# Altium PCB Bass Debug Board.PcbDoc
Units mm, origin at the board's own origin, x right, y up, seen from the top; angles counter-clockwise.
Board outline 76.24 x 154.92 mm, 2 copper layers (Top Layer, Bottom Layer), stack 1.569 mm thick; 42 components, 23 nets, 84 pads, 128 vias.
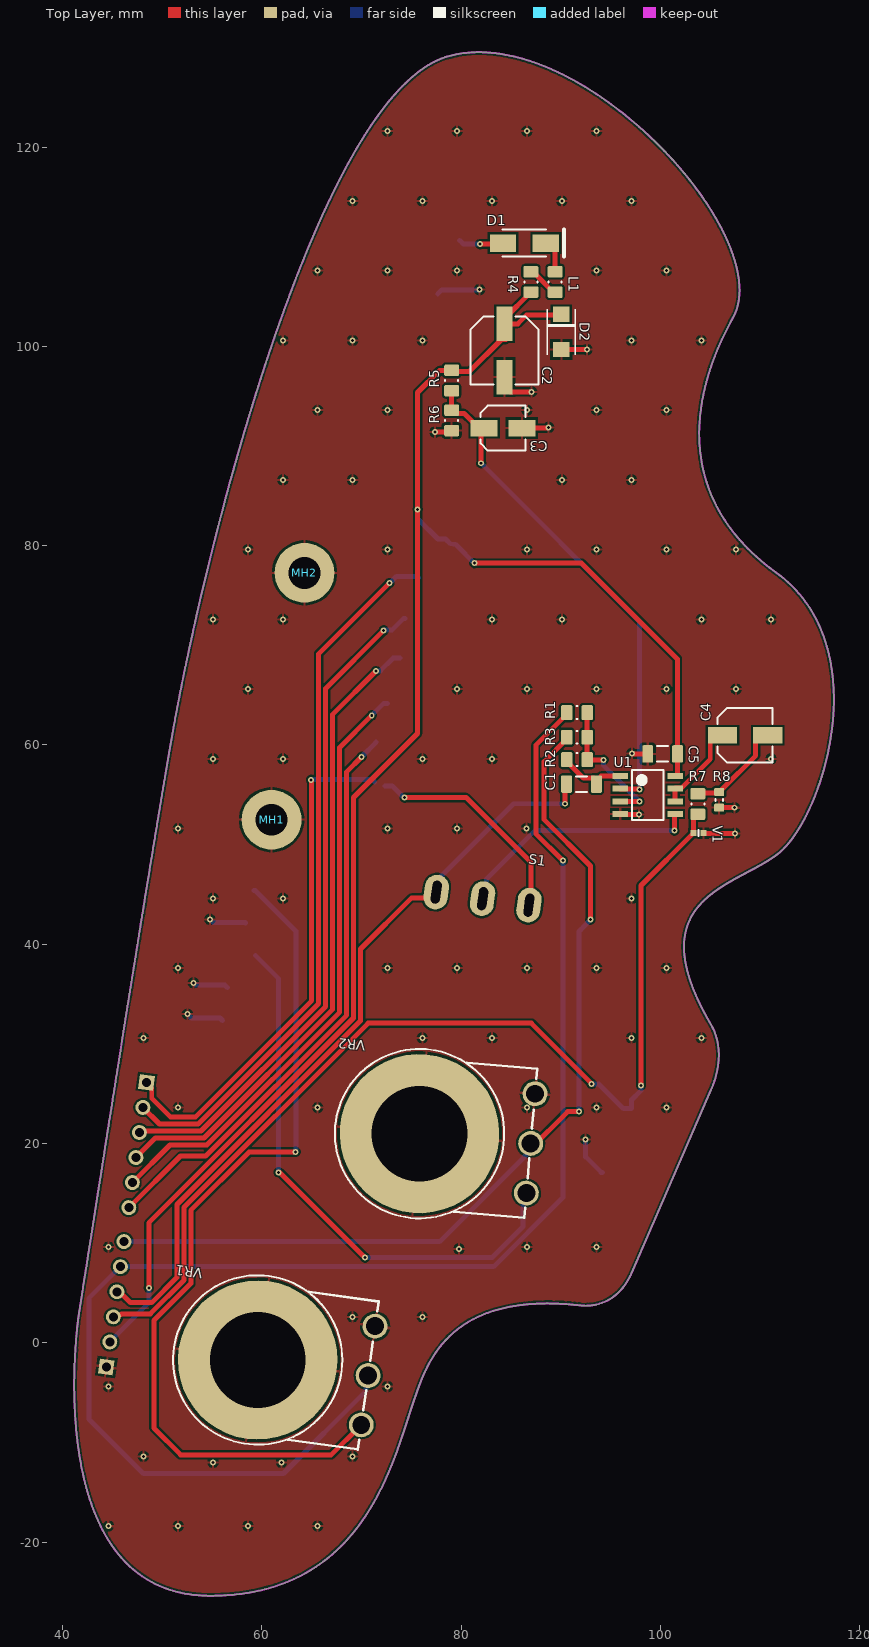
[diagram p0: Top Layer view]
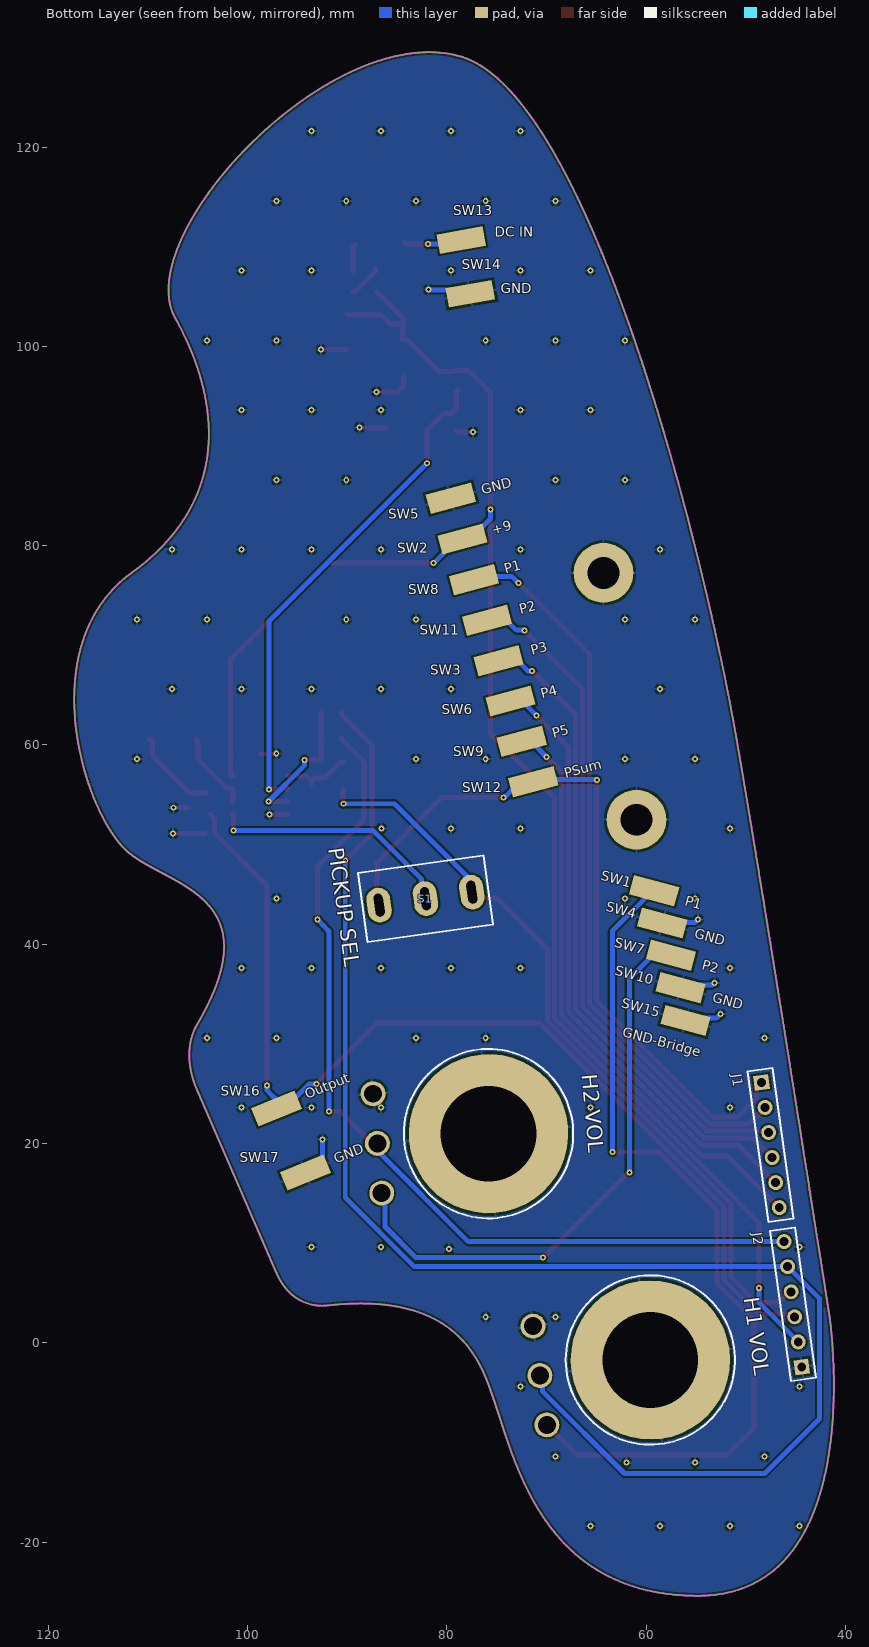
[diagram p1: Bottom Layer view, seen from below]
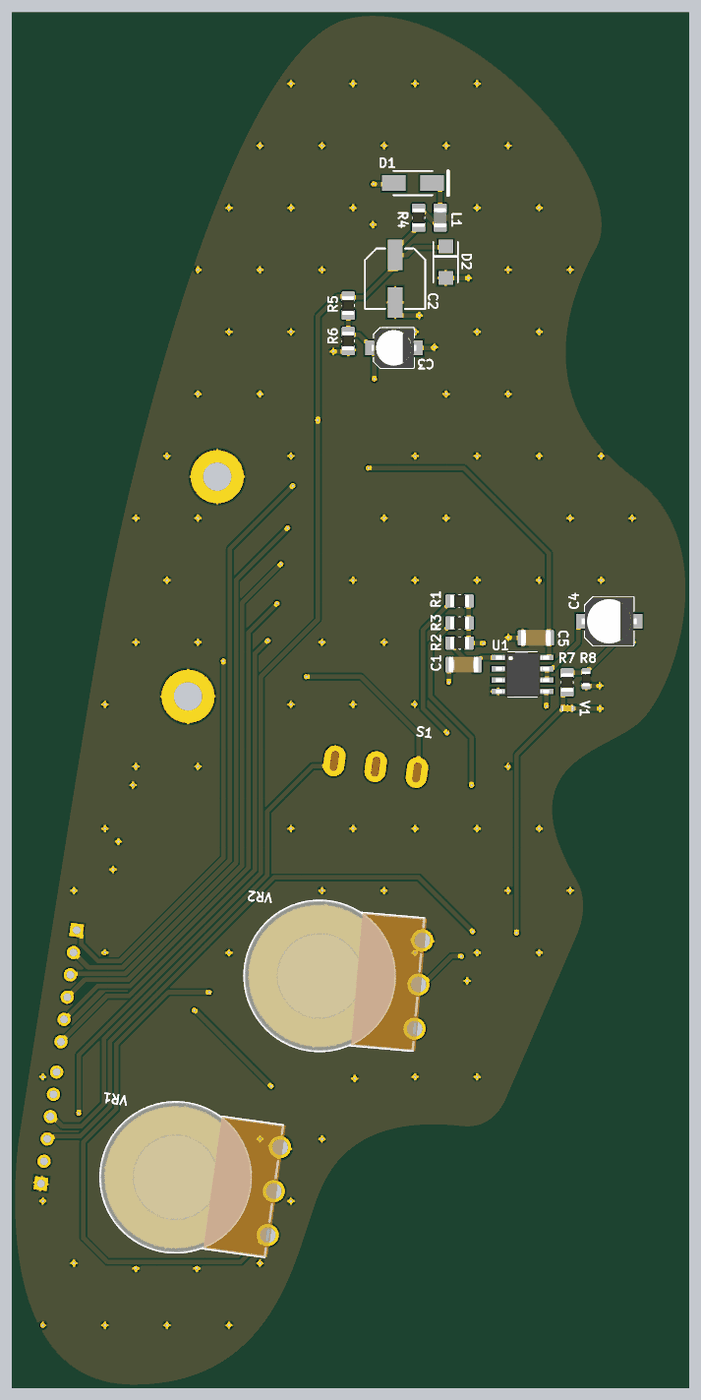
[diagram p2: 3D render of the assembled board from above, using the file's embedded part models]

## Layer stack, top to bottom
Top Solder: solder mask 0.0254, SM-002, Dk 4
Top Layer: signal copper 0.035
Dielectric 1: core 1.4986, Core-043, Dk 4.3
Bottom Layer: signal copper 0.035
Bottom Solder: solder mask 0.0254, SM-002, Dk 4

## Board outline
2943 vertices, not listed, extent 41.162,-25.394 117.404,129.53

## Design rules (kind name [scope] priority, off if disabled: settings)
Clearance [All] p1: gap=0.2 ignorepadtopadclearanceinfootprint=TRUE
PolygonConnect [All] p1: connectstyle=Relief reliefconductorwidth=0.254 reliefentries=4 polygonreliefangle="90 Angle" airgapwidth=0.254
RoutingVias [All] p1: holewidth=0.711 width=0.6 viastyle="Through Hole" minholewidth=0.3 minwidth=0.6 maxholewidth=0.3 maxwidth=0.6
SolderMaskExpansion [All] p1: expansion=0.102 istentingtop=FALSE
Width [All] p1: maxlimit=1 minlimit=0.5 preferedwidth=0.5
30 further rules are at their usual default settings.

## Components (designator, comment, footprint, x,y, rotation, side; value= is the part's Value field where it differs from the comment)
C1 "Cap 100nF 1206 C0G" 1206-CAP 92.075,56.075 r180 top
C2 "Cap pol 220µF 16V" "E-CAP, SMT, diameter 6.3mm, height 7.7mm" 84.35,99.6 r270 top
C3 "Cap pol 10µF 16V" "E-CAP, SMT, diameter 4mm, height 5.4mm" 84.2,91.8 r0 top
C4 "Cap pol 10µF 35V" "E-CAP, SMT, diameter 5mm, height 5.4mm" 108.5,60.973 r0 top
C5 "Cap 100nF 1206 C0G" 1206-CAP 100.225,59.1 r0 top
D1 "SS14" SS14 86.35,110.375 r0 top
D2 "SML4742-E3/5A" DO-214AC 90.05,99.682 r90 top
J1 "6pin 2.54mm female connector" "Header 1X6" 48.41,26.138 r262 bottom
J2 "6pin 2.54mm female connector" "Header 1X6" 44.383,-2.426 r82 bottom
L1 "Ferrite BLM21SP102SN1" 0805-IND 89.43,106.475 r270 top
MH1 "Mounting hole M3" "Mounting hole M3" 60.975,52.5 r0 top locked
MH2 "Mounting hole M3" "Mounting hole M3" 64.275,77.275 r0 top locked
R1 "Res 10k 1% 0805" 0805-RES 91.625,63.25 r0 top
R2 "Res 10k 1% 0805" 0805-RES 91.625,58.525 r180 top
R3 "Res 10k 1% 0805" 0805-RES 91.625,60.775 r0 top
R4 "Res 10R 5% 0805" 0805-RES 86.998,106.475 r270 top
R5 "Res 10k 1% 0805" 0805-RES 79.05,96.575 r270 top
R6 "Res 10k 1% 0805" 0805-RES 79.05,92.575 r270 top
R7 "Res 100R 1% 0805" 0805-RES 103.75,54.077 r270 top
R8 "Res 100k 1% 0603" 0603-RES 105.9,54.489 r270 top
S1 "Switch SPDT toggle" "Switch SPDT" 82.15,44.575 r262 bottom
SW1 "SMD Pad" SMD_pad#1 59.2,45.375 r15 bottom
SW2 "SMD Pad" SMD_pad#2 78.425,80.675 r165 top
SW3 "SMD Pad" SMD_pad#2 74.825,68.454 r165 top
SW4 "SMD Pad" SMD_pad#1 58.375,42.129 r195 bottom
SW5 "SMD Pad" SMD_pad#2 79.6,84.775 r165 top
SW6 "SMD Pad" SMD_pad#2 73.625,64.411 r165 top
SW7 "SMD Pad" SMD_pad#1 57.5,38.884 r15 bottom
SW8 "SMD Pad" SMD_pad#2 77.275,76.575 r165 top
SW9 "SMD Pad" SMD_pad#2 72.475,60.368 r165 top
SW10 "SMD Pad" SMD_pad#1 56.55,35.638 r195 bottom
SW11 "SMD Pad" SMD_pad#2 75.975,72.525 r165 top
SW12 "SMD Pad" SMD_pad#2 71.325,56.3 r165 top
SW13 "SMD Pad" SMD_pad#2 78.55,110.675 r170 top
SW14 "SMD Pad" SMD_pad#2 77.65,105.275 r170 top
SW15 "SMD Pad" SMD_pad#2 56.05,32.35 r195 top
SW16 "SMD Pad" SMD_pad#2 97.1,23.5 r158 top
SW17 "SMD Pad" SMD_pad#2 94.2,17.1 r158 top
U1 "TL072CD" SOIC8-127P600X175-8N 98.725,54.975 r0 top
V1 "Var AVRF101U6R8KT242" "0402 COMPONENT" 103.8,51.15 r180 top
VR1 "Pot EB 500kC" VB16Z 59.575,-1.725 r82 top
VR2 "Pot EB 500kC" VB16Z 75.819,20.987 r85 top

## Footprints (in the part's own frame and the unit in brackets; to place one, negate y for a bottom-side part, rotate by r counter-clockwise, add the part's x,y. Pads: shape width x height; smd on the part's side, far side on the other; paste and mask are expansions set on the pad)
"0402 COMPONENT" [mm] "Chip Capacitor, 2-Leads, Body 1,00x0,50mm, IPC Medium Density"
  rect 0.6x0.6 smd: 1(-0.5,0) 2(0.5,0)
  silkscreen extent 0,-0.3 0,0.3, body extent -0.6,-0.35 0.6,0.35, height 0.7
0603-RES [mm] "Chip resistor, 2-Leads, Body 1.6x0.8mm, IPC Medium Density"
  rrect25% 0.8x1 smd: 1(-0.787,0) 2(0.787,0)
  silkscreen extent -0.1,-0.38 0.1,0.38, body extent -0.85,-0.45 0.85,0.45, height 0.55
0805-IND [mm] "Chip Inductor, 2-Leads, Body 2.00x1.25mm, IPC Low Density"
  rrect25% 1.15x1.5 smd: 1(-1.025,0) 2(1.025,0)
  silkscreen extent -0.05,-0.65 0.05,0.65, body extent -1.1,-0.72 1.1,0.73, height 1.45
0805-RES [mm] "Chip Resistor, 2-Leads, Body 2.00x1.25mm, IPC Low Density"
  rrect25% 1.15x1.5 smd: 1(-1.025,0) 2(1.025,0)
  silkscreen extent -0.05,-0.65 0.05,0.65, body extent -1.05,-0.67 1.05,0.68, height 0.6
1206-CAP [mm] "Chip Capacitor, 2-Leads, Body 3,20x1,60mm, IPC Medium Density"
  rrect25% 1.1x1.75 smd: 1(-1.5,0) 2(1.5,0)
  silkscreen extent -0.55,-0.77 0.55,0.77, body extent -1.7,-0.9 1.7,0.9, height 1.8
DO-214AC [mil]
  rect 60x66 smd: 1(0,0) 2(140,0)
  silkscreen extent -20,-55 160,55
"E-CAP, SMT, diameter 4mm, height 5.4mm" [mm] "Aluminum Electrolytic Capacitor, Body 4,30x4,30x5,64mm, IPC Medium Density"
  rect 2.7x1.65 smd: 1(-1.9,0) 2(1.9,0)
  silkscreen extent -2.25,-2.25 2.25,2.25, body extent -2.52,-2.25 2.52,2.25, height 5.64
"E-CAP, SMT, diameter 5mm, height 5.4mm" [mm] "Aluminum Electrolytic Capacitor, Body 5,30x5,30x5,65mm, IPC Medium Density"
  rect 2.95x1.65 smd: 1(-2.275,0) 2(2.275,0)
  silkscreen extent -2.75,-2.75 2.75,2.75, body extent -3.1,-2.75 3.1,2.75, height 5.65
"E-CAP, SMT, diameter 6.3mm, height 7.7mm" [mm] "Aluminum Electrolytic Capacitor, Body 6,60x6,60x8,00mm, IPC Medium Density"
  rect 3.45x1.65 smd: 1(-2.675,0) 2(2.675,0)
  silkscreen extent -3.4,-3.4 3.4,3.4, body extent -3.4,-3.4 3.4,3.4, height 8
"Header 1X6" [mm] "Connector; Header; 6 Position"
  rect 1.5x1.5 hole 0.9: 1(0,0)
  round 1.5 hole 0.9: 2(2.54,0) 3(5.08,0) 4(7.62,0) 5(10.16,0) 6(12.7,0)
  silkscreen extent -1.27,-1.27 13.97,1.27
"Mounting hole M3" [mm] "3.2 mm mounting hole for M3 screw"
  round 6 hole 3.2 paste+0: 1(0,0)
SMD_pad#1 [mm]
  rect 4.7x2 smd: 1(0,0)
SMD_pad#2 [mm]
  rect 4.7x2 smd far side: 1(0,0)
SOIC8-127P600X175-8N [mm] "SOIC, 8-Leads, Body 4,90x3,90mm, Pitch 1,27mm, IPC Medium Density"
  rect 1.52x0.6 smd: 1(-2.76,1.905) 2(-2.76,0.635) 3(-2.76,-0.635) 4(-2.76,-1.905) 5(2.76,-1.905) 6(2.76,-0.635) 7(2.76,0.635) 8(2.76,1.905)
  silkscreen extent -1.6,-2.5 1.6,2.5, body extent -3,-2.5 3,2.5, height 1.75
SS14 [mm] "DO-214, 2-Leads, Body 4.375x2.725mm"
  rect 2.65x1.75 smd: A(-2.15,0) K(2.15,0)
  silkscreen extent -2.19,-1.36 3.98,1.36, body extent -2.19,-1.36 2.19,1.36, height 2.5
"Switch SPDT" [mm] "Red SPDT on Ultra"
  oval 3.5x2.4 hole 0.9 slot 2.3 at 0 deg: 1(0,4.7) 2(0,0) 3(0,-4.7)
  silkscreen extent -3.5,-6.35 3.5,6.35, body extent -3.5,-6.35 3.5,6.35, height 28.8
VB16Z [mm] "pot"
  round 2.5 hole 1.8: 1(5,-11.2) 2(0,-11.2) 3(-5,-11.2)
  round 16 hole 9.6: 4(0,0)
  silkscreen extent -8.5,-11.2 8.5,8.5, body extent -8.5,-11.5 8.5,8.5, height 9.2

## Part data
C1 C5: library part CMP-04102-2, "Cap 100nF 1206 C0G 50V +-5%", Capacitance=100nF, Dielectric=C0G, Maximum operating temperature=125°C, Rated Voltage=50V, Tolerance (+-)=5%, Height=1.8mm, Size (Imperial)=1206
C2: library part CMP-00098-4, "Cap Aluminum 220uF 16V ±20% (6.3x7.7mm) SMD 2000h 85°C", + Tolerance=20%, Capacitance=220µF, Lifetime @ Max. Temp. (hours)=2000h, Maximum operating temperature=85°C, Rated Voltage=16V, - Tolerance=20%
C3: library part CMP-00093-4, "Cap Aluminum 10uF 16V ±20% (4x5.4mm) SMD 2000h 85°C", + Tolerance=20%, Capacitance=10µF, Lifetime @ Max. Temp. (hours)=2000h, Maximum operating temperature=85°C, Rated Voltage=16V, - Tolerance=20%
C4: library part CMP-00115-4, "Cap Aluminum 10uF 35V ±20% (5x5.4mm) SMD 2000h 85°C", + Tolerance=20%, Capacitance=10µF, Lifetime @ Max. Temp. (hours)=2000h, Maximum operating temperature=85°C, Rated Voltage=35V, - Tolerance=20%
D1: library part CMP-029-0000-5, "ON SEMICONDUCTOR - SS14 - DIODE, SCHOTTKY, 1A, 40V, DO-214AC-2", Average Rectified Current=1A, Case/Package=SMA, Forward Voltage=500mV, Manufacturer="ON Semiconductor / Fairchild", Max Forward Surge Current (Ifsm)=40A, Max Operating Temperature=125°C, Max Power Dissipation=1.1W, Max Repetitive Reverse Voltage (Vrrm)=40V, Min Operating Temperature=-65°C, Package Quantity=7500, Peak Reverse Current=200uA, ComponentLink1Description=https://datasheet.ciiva.com/4713/ss14-197224-4713938.pdf?src-supplier=Mouser, ComponentLink1URL=https://datasheet.ciiva.com/4713/ss14-197224-4713938.pdf?src-supplier=Mouser, ComponentLink2Description=https://datasheet.ciiva.com/8303/ss19-8303766.pdf?src-supplier=Avnet, ComponentLink2URL=https://datasheet.ciiva.com/8303/ss19-8303766.pdf?src-supplier=Avnet, ComponentLink3Description=https://datasheet.ciiva.com/910/ss12-910695.pdf?src-supplier=Digi-Key, ComponentLink3URL=https://datasheet.ciiva.com/910/ss12-910695.pdf?src-supplier=Digi-Key, ComponentLink4Description=https://datasheet.ciiva.com/7965/1766303-7965241.pdf?src-supplier=Element14, ComponentLink4URL=https://datasheet.ciiva.com/7965/1766303-7965241.pdf?src-supplier=Element14, ComponentLink5Description=https://datasheet.ciiva.com/910/ss12-910696.pdf?src-supplier=Digi-Key, ComponentLink5URL=https://datasheet.ciiva.com/910/ss12-910696.pdf?src-supplier=Digi-Key, ComponentLink6Description=https://datasheet.ciiva.com/25951/ss19-25951496.pdf?src-supplier=Avnet+Europe, ComponentLink6URL=https://datasheet.ciiva.com/25951/ss19-25951496.pdf?src-supplier=Avnet+Europe, ComponentLink7Description=https://datasheet.ciiva.com/910/ss12-910697.pdf?src-supplier=Digi-Key, ComponentLink7URL=https://datasheet.ciiva.com/910/ss12-910697.pdf?src-supplier=Digi-Key, ComponentLink8Description=https://datasheet.ciiva.com/22651/1880990-22651980.pdf?src-supplier=Element14, ComponentLink8URL=https://datasheet.ciiva.com/22651/1880990-22651980.pdf?src-supplier=Element14, Current=1A, Current Rating=1A, Design Item ID=SS14, Element Configuration=Single, Forward Current=1A, Height=2.2mm, Lead Free="Lead Free", Length=4.75mm, Manufacturer Part Number=SS14, Max Reverse Voltage (DC)=40V, Mount="Surface Mount", Number of Elements=1, Number of Pins=2, Number of Terminals=2, Output Current=1A, Packaging="Tape and Reel", Peak Non-Repetitive Surge Current=40A, Polarity=Standard, Power Dissipation=1.1W, Pricing 1="1 = 0,42000, 10 = 0,29400, 50 = 0,29400, 100 = 0,13500, 1000 = 0,10400, 10000 = 0,08100 (USD)", Radiation Hardening=No, REACH SVHC="No SVHC", RoHS=Yes, Source=main.SchLib, Stock 1=302709, Termination=SMD/SMT, Voltage=40V, Voltage Rating (DC)=40V, Weight=0.003739oz, Width=2.95mm
D2: library part CMP-029-0015-3, "12V Zener", Case/Package=SMA, Manufacturer="Vishay Semiconductors", Max Operating Temperature=150°C, Max Power Dissipation=1W, Max Reverse Leakage Current=5uA, Min Operating Temperature=-65°C, Package Quantity=7500, Tolerance=10%, Zener Voltage=12V, ComponentLink1Description=https://media.digikey.com/pdf/Data%20Sheets/Vishay%20Siliconix%20PDFs/SML4728-SML4764A.pdf?src-supplier=Digi-Key, ComponentLink1URL=https://media.digikey.com/pdf/Data%20Sheets/Vishay%20Siliconix%20PDFs/SML4728-SML4764A.pdf?src-supplier=Digi-Key, ComponentLink2Description=http://www.mouser.com/ds/2/427/sml4728-67952.pdf?src-supplier=Mouser, ComponentLink2URL=http://www.mouser.com/ds/2/427/sml4728-67952.pdf?src-supplier=Mouser, ComponentLink3Description=http://www.vishay.com/docs/85782/sml4728.pdf?src-supplier=Avnet, ComponentLink3URL=http://www.vishay.com/docs/85782/sml4728.pdf?src-supplier=Avnet, Design Item ID=SML4742-E3/5A, Element Configuration=Single, Impedance=9R, Manufacturer Part Number=SML4742-E3/5A, Mount="Surface Mount", Mouser part=78-SML4742-E3/5A, Number of Pins=2, Packaging="Tape and Reel", Power Dissipation=1W, Pricing 1="1 = 0,50000, 10 = 0,42600, 25 = 0,39760, 100 = 0,31800, 250 = 0,29524, 500 = 0,24982, 1000 = 0,19305, 2500 = 0,17602 (USD)", Radiation Hardening=No, RoHS=Yes, Source=main.SchLib, Stock 1=7485, Voltage Tolerance=10%
J1 J2: library part CMP-026-0027-1, "Board Connector, 6 Contact(s), 1 Row(s), Female, Straight, 0.1 inch Pitch, Solder Terminal, Black Insulator, Socket", Dielectric Withstanding Voltage (AC)=2.1kV, Flammability Rating="UL94 V-0", Insulation Color=Black, Insulation Resistance=5GR, Max Operating Temperature=105°C, Min Operating Temperature=-40°C, Rated Current (Signal)=2A, Additional Feature=3M, Body Breadth=0.1inch, Body Depth=0.325inch, Body Length=0.6inch, Body/Shell Style=SOCKET, Connector Type="BOARD CONNECTOR", Contact Finish - Mating="MATTE TIN OVER NICKEL (100)", Contact Finish - Termination="MATTE TIN OVER NICKEL (100)", Contact Gender=Female, Contact Material="Copper Alloy", Contact Pattern=RECTANGULAR, Contact Style="SQ PIN-SKT", DIN Conformance=No, Filter Feature=No, IEC Conformance=No, Insulation Material=Nylon, JESD-609 Code=e3, Mating Contact Pitch=0.1inch, MIL Conformance=No, Mixed Contacts=No, Mount=Board, Mounting Style=STRAIGHT, Number Of Connectors=1, Number of Contacts=6, Number Of PCB Rows=1, Number of Rows Loaded=1, Option="General Purpose", PCB Contact Pattern=RECTANGULAR, REACH SVHC=Yes, Reference Standard=UL, Reliability=COMMERCIAL, RoHS Compliant=Yes, Terminal Length=0.125inch, Terminal Pitch=2.54mm, Termination=Solder
L1: library part CMP-027-0002-5, "Ferrite Beads Multi-Layer High Current 1KOhm 25% 100MHz 1.6A 0.12Ohm DCR", Manufacturer=Murata, Manufacturer Part Number=BLM21SP102SN1D, Design Item ID="Ferrite BLM21SP102SN1", Pricing 1="1=0,29000, 10=0,17400, 100=0,12300, 500=0,10600, 1000=0,09400, 4000=0,08000 (USD)", RoHS=No, Source=jimi.SchLib, Stock 1=10289
MH1 MH2: library part CMP-021-0014-4, "3.2 mm mounting hole for M3 screw", Design Item ID="Mounting hole M3", Source=jimi.SchLib
R1 R2 R3: library part CMP-02586-2, "Resistor 10k +-1% 0805 Thin film 0.125W +-50ppm/°C", Maximum working voltage=150V, Power=125mW, Resistance=10k, Temperature Coefficient (ppm/°C)=50, Tolerance (+-)=1%, Composition="Thin film", Size (Imperial)=0805
R4: library part CMP-04716-2, "Resistor 10R +-5% 0805 Thick film 0.125W +-200ppm/°C", Maximum working voltage=150V, Power=125mW, Resistance=10, Temperature Coefficient (ppm/°C)=200, Tolerance (+-)=5%, Composition="Thick film", Size (Imperial)=0805
R5 R6: library part CMP-07009-1, "Resistor 10k +-1% 0805 Thick film 0.125W +- 100ppm/°C", Maximum working voltage=150V, Power=125mW, Resistance=10k, Temperature Coefficient (ppm/°C)=100, Tolerance (+-)=1%, Composition="Thick film", Size (Imperial)=0805
R7: library part CMP-02362-2, "Resistor 100R +-1% 0805 Thin film 0.125W +-50ppm/°C", Maximum working voltage=150V, Power=125mW, Resistance=100, Temperature Coefficient (ppm/°C)=50, Tolerance (+-)=1%, Composition="Thin film", Size (Imperial)=0805
R8: library part CMP-03428-2, "Resistor 100k +-1% 0603 Thin film 0.1W +-50ppm/°C", Maximum working voltage=75V, Power=100mW, Resistance=100k, Temperature Coefficient (ppm/°C)=50, Tolerance (+-)=1%, Composition="Thin film", Size (Imperial)=0603
S1: library part CMP-028-0103-4, "SPDT toggle switch", Darkglass part=D00-0023, Design Item ID="Switch SPDT toggle", Selective Soldering=Yes, Source=main.SchLib, Supplied by Darkglass=Yes
SW1 SW2 SW3 SW4 SW5 SW6 SW7 SW8 SW9 SW10 SW11 SW12 SW13 SW14 SW15 SW16 SW17: library part CMP-047-0000-3, "SMD pad", Design Item ID="SMD Pad", Source=Schlib.SchLib
U1: library part CMP-028-0012-7, "Operational Amplifiers - Op Amps Dual Low Noise JFET SOIC8", Case/Package=D, Dual Supply Voltage=9V, Input Bias Current=200pA, Input Offset Voltage (Vos)=3mV, Manufacturer 1="Texas Instruments", Max Dual Supply Voltage=18V, Max I/O Voltage=10mV, Max Operating Temperature=85°C, Min Dual Supply Voltage=3.5V, Min Operating Temperature=-40°C, Nominal Supply Current=5mA, Operating Supply Current=1.4mA, Package Quantity=75, Voltage Gain=106.02dB, Bandwidth=3MHz, Common Mode Rejection Ratio=70dB, ComponentLink1Description=http://www.ti.com/general/docs/lit/getliterature.tsp?genericPartNumber=TL072&&fileType=pdf&src-supplier=Avnet, ComponentLink1URL=http://www.ti.com/general/docs/lit/getliterature.tsp?genericPartNumber=TL072&&fileType=pdf&src-supplier=Avnet, ComponentLink2Description=https://www.distrelec.biz/Web/Downloads/_t/ds/tl07x-series_eng_tds.pdf?mime=application%2Fpdf&src-supplier=Distrelec, ComponentLink2URL=https://www.distrelec.biz/Web/Downloads/_t/ds/tl07x-series_eng_tds.pdf?mime=application%2Fpdf&src-supplier=Distrelec, ComponentLink3Description=http://www.ti.com/lit/ds/symlink/tl071a.pdf?src-supplier=Digi-Key, ComponentLink3URL=http://www.ti.com/lit/ds/symlink/tl071a.pdf?src-supplier=Digi-Key, ComponentLink4Description=http://www.farnell.com/datasheets/1862384.pdf?src-supplier=Element14, ComponentLink4URL=http://www.farnell.com/datasheets/1862384.pdf?src-supplier=Element14, ComponentLink5Description=http://focus.ti.com/lit/ds/symlink/tl074.pdf?src-supplier=Avnet+Asia, ComponentLink5URL=http://focus.ti.com/lit/ds/symlink/tl074.pdf?src-supplier=Avnet+Asia, Design Item ID=TL072CD, Gain Bandwidth Product=3MHz, Height=1.58mm, Lead Free="Lead Free", Length=4.9mm, Manufacturer Part Number 1=TL072CD, Nominal Gain Bandwidth Product=3MHz, Number of Amplifiers=2, Number of Channels=2, Number of Circuits=2, Number of Elements=2, Number of Pins=8, Operating Supply Voltage=18V, Packaging=Rail/Tube, PartId=1, Pricing 1="1 = 0.71000, 10 = 0.59500, 50 = 0.59500, 100 = 0.38400, 1000 = 0.30700, 10000 = 0.25000 (USD)", Radiation Hardening=No, REACH SVHC="No SVHC", RoHS=Yes, Slew Rate=13V/µs, Source=main.SchLib, Stock 1=14514, Unity Gain Bandwidth Product=3MHz, Width=3.91mm
V1: library part CMP-021-0016-3, "Varistor 0402 28VDC 6.8pF 10% Audio Line", Manufacturer=TDK, Manufacturer Part Number=AVRF101U6R8KT242, Design Item ID="Var AVRF101U6R8KT242", Pricing 1="1=0,37000, 10=0,34800, 100=0,12200, 500=0,10400, 1000=0,07100, 2500=0,05900 (USD)", RoHS=No, Source=jimi.SchLib, Stock 1=19800
VR1 VR2: library part CMP-048-0004-4, "LC001W, F grease - drawing 887-1241", Design Item ID="Pot EB 500kC", Selective Soldering=YES, Source=Schlib.SchLib, Supplied by Darkglass=YES

## Via types
v1: diameter 0.6, hole 0.3, Top Layer to Bottom Layer, 128 vias

## Nets (pads, with @x,y where several pads share a name; then routed paths per layer and width w, separated by ;. In a path a pad name is that pad's centre, name@x,y a point inside that pad or via, vN(x,y) a via of type N, cw(c..) or ccw(c..) an arc to the next point about the centre after c; other vN are vias at no path point)
+9: C2.1 C5.2 D2.2 J2.2 R4.2 R5.1 SW2.1 U1.8 | length 175.7
  Top Layer w0.5: v1(48.65,5.5) 48.65,12.045 69.2,32.595 69.2,54.727 75.625,61.152 v1(75.625,83.65) 75.625,95.375 77.843,97.593 79.043,97.593 R5.1 79.55,97.494 80.842,97.494 84.042,100.694 84.523,100.694 84.523,100.8 C2.1 ; v1(81.325,78.25) 92.075,78.25 101.7,68.625 101.7,59.125 C5.2 ; R4.2 84.35,102.802 C2.1 ; D2.2 89.462,103.132 86.542,103.132 85.685,102.275 C2.1 ; U1.8 101.675,56.88 101.725,56.93 C5.2@101.725,58.825
  Bottom Layer w0.5: J2.2 48.65,4.003 v1(48.65,5.5) ; v1(75.625,83.65) 75.625,82.721 77.671,80.675 SW2.1 78.905,80.195 79.452,80.123 79.572,80.003 cw(c79.218,79.65) 79.575,80 v1(81.325,78.25)
DC_IN: D1.A SW13.1 | length 4.5
  Top Layer w0.5: v1(81.9,110.275) 84.1,110.275 D1.A
  Bottom Layer w0.5: SW13.1@79.85,110.65 80.225,110.275 v1(81.9,110.275)
GND: C2.2 C3.2 C5.1 D2.1 J2.1 MH1.1 MH2.1 R6.2 R8.2 SW4.1 SW5.1 SW10.1 SW14.1 SW15.1 SW17.1 U1.4 V1.1 VR1.1 VR1.4 VR2.1 VR2.4 | length 38.8
  Top Layer w0.5: v1(77.375,91.4) 77.394,91.419 78.919,91.419 R6.2 ; C2.2 84.35,96.025 84.925,95.45 v1(87.075,95.45) ; C3.2 88.673,91.8 88.748,91.875 v1(88.775,91.875) ; D2.1 90.057,99.675 v1(92.625,99.675) ; U1.4 96.015,53.02 96.755,53.02 96.775,53 v1(97.825,53) ; v1(97.125,59.15) 97.152,59.15 97.202,59.1 C5.1 ; V1.1 104.313,51.137 107.463,51.137 v1(107.475,51.125) ; R8.2 R8.2 v1(107.425,53.7) v1(107.425,53.7)
  Bottom Layer w0.5: v1(52.525,32.975) 52.552,32.975 52.923,32.604 55.796,32.604 SW15.1 ; v1(53.125,36.125) 53.152,36.125 53.385,35.893 56.296,35.893 SW10.1 ; v1(54.775,42.5) 54.802,42.5 55.096,42.206 58.299,42.206 SW4.1 ; SW14.1 78.056,105.681 81.831,105.681 v1(81.85,105.7) ; v1(92.475,20.425) 92.475,18.825 92.499,18.801 92.499,18.658 94.057,17.1 SW17.1
  other v1: 44.6,-18.4 51.6,-18.4 58.6,-18.4 65.6,-18.4 55.1,-11.999 61.97,-11.999 48.1,-11.4 69.1,-11.4 44.6,-4.4 72.6,-4.4 69.1,2.6 76.1,2.6 79.78,9.42 44.6,9.6 86.6,9.6 93.6,9.6 51.6,23.6 65.6,23.6 86.6,23.6 93.6,23.6 100.6,23.6 48.1,30.6 76.1,30.6 83.1,30.6 97.1,30.6 104.1,30.6 51.6,37.6 72.6,37.6 79.6,37.6 86.6,37.6 93.6,37.6 100.6,37.6 55.1,44.6 62.1,44.6 97.1,44.6 51.6,51.6 72.6,51.6 79.6,51.6 86.57,51.63 55.1,58.6 62.1,58.6 76.1,58.6 83.1,58.6 111.1,58.6 58.6,65.6 79.6,65.6 86.6,65.6 93.6,65.6 100.6,65.6 107.6,65.6 55.1,72.6 62.1,72.6 83.1,72.6 90.1,72.6 104.1,72.6 111.1,72.6 58.6,79.6 72.6,79.6 86.6,79.6 93.6,79.6 100.6,79.6 107.6,79.6 62.1,86.6 69.1,86.6 90.1,86.6 97.1,86.6 65.6,93.6 72.6,93.6 86.6,93.6 93.6,93.6 100.6,93.6 62.1,100.6 69.1,100.6 76.1,100.6 97.1,100.6 104.1,100.6 65.6,107.6 72.6,107.6 79.6,107.6 93.6,107.6 100.6,107.6 69.1,114.6 76.1,114.6 83.1,114.6 90.1,114.6 97.1,114.6 72.6,121.6 79.6,121.6 86.6,121.6 93.6,121.6
H1: J2.5 R1.1 VR1.2 | length 150.3
  Top Layer w0.5: v1(90.2,48.4) 87.5,51.1 87.5,59.975 90.6,63.075 R1.1
  Bottom Layer w0.5: VR1.2 70.427,-3.523 70.427,-4.873 62.175,-13.125 48.1,-13.125 42.625,-7.65 42.625,4.463 45.988,7.826 46.067,7.826 46.258,7.635 83.26,7.635 90.2,14.575 v1(90.2,48.4)
H2: J2.6 R3.1 VR2.2 | length 92.1
  Top Layer w0.5: VR2.2@86.91,19.429 90.681,23.2 v1(91.825,23.2) ; R3.1 90.6,60.6 88.325,58.325 88.325,52.5 92.975,47.85 v1(92.975,42.475)
  Bottom Layer w0.5: J2.6 77.85,10.15 86.91,19.21 VR2.2@86.91,19.429 ; v1(91.825,23.2) 91.825,41.275 92.3,41.75 92.3,41.773 92.975,42.448 v1(92.975,42.475)
NetC1_1: C1.1 R2.2 U1.1 | length 6.9
  Top Layer w0.5: R2.2@90.375,58.275 90.675,58.275 92.275,56.675 93.275,56.675 C1.1@93.575,56.375 ; C1.1 C1.1@93.575,56.375 ; U1.1 94.055,56.88 93.575,56.4 C1.1@93.575,56.375
NetC4_1: C4.1 U1.6 U1.7 | length 8
  Top Layer w0.5: U1.6 U1.7@101.485,55.56 ; U1.7 101.535,55.66 102.085,55.66 105,58.575 105,60.398 105.152,60.55 C4.1@105.2,60.55
NetC4_2: C4.2 R7.1 R8.1 | length 8.9
  Top Layer w0.5: R7.1@104.2,55.275 104.2,55.239 104.25,55.189 105.812,55.189 R8.1 106,55.277 106.15,55.427 106.15,55.527 109.55,58.927 109.55,60.398 109.677,60.525 C4.2@109.875,60.525
NetD1_K: D1.K L1.1 | length 2.8
  Top Layer w0.5: D1.K@89.2,110.2 89.43,109.97 L1.1
NetL1_2: L1.2 R4.1 | length 3.4
  Top Layer w0.5: R4.1@87.15,107.825 87.15,107.523 87.498,107.175 87.53,107.175 89.255,105.45 L1.2
NetR1_2: R1.2 R2.1 R3.2 U1.3 | length 13.7
  Top Layer w0.5: R3.2@92.6,60.775 92.65,60.825 R1.2 ; R2.1 R3.2@92.65,60.65 ; R2.1@92.838,58.512 94.288,58.512 v1(94.3,58.5) ; U1.3 95.973,54.332 97.893,54.332 v1(97.9,54.325)
  Bottom Layer w0.5: v1(94.3,58.5) 94.3,57.925 v1(97.9,54.325)
NetS1_2: S1.2 U1.5 | length 24.7
  Top Layer w0.5: v1(101.4,51.4) 101.4,53.02 101.45,53.07 U1.5
  Bottom Layer w0.5: S1.2 82.53,44.955 82.53,46.53 87.4,51.4 v1(101.4,51.4)
Output: J2.3 R7.2 SW16.1 V1.2 | length 104.4
  Top Layer w0.5: J2.3 45.281,2.796 45.778,2.796 45.882,2.9 48.8,2.9 52.175,6.275 52.175,13.59 70.66,32.075 87.038,32.075 93.05,26.063 93.05,26.052 93.108,25.994 v1@93.119,25.994 ; v1(98.05,25.825) 98.05,45.9 V1.2 103.3,52.602 R7.2
  Bottom Layer w0.5: v1(93.1,25.975) 93.119,25.956 93.841,25.956 96.296,23.5 SW16.1 97.1,24.368 98.031,25.299 98.031,25.831 v1@98.05,25.85
P1: J1.6 SW9.1 | length 58.5
  Top Layer w0.5: J1.6 51.83,18.749 54.364,18.749 68.5,32.885 68.5,57.3 v1(70,58.8)
  Bottom Layer w0.5: v1(70,58.8) SW9.1@71.475,60.275
P2: J1.5 SW6.1 | length 61.1
  Top Layer w0.5: J1.5 50.77,19.85 54.475,19.85 67.8,33.175 67.8,59.75 v1(71.025,62.975)
  Bottom Layer w0.5: v1(71.025,62.975) 72.225,64.175 SW6.1@72.625,64.175
P3: J1.4 SW3.1 | length 64.6
  Top Layer w0.5: J1.4 49.308,20.55 54.185,20.55 67.1,33.465 67.1,63.075 v1(71.45,67.425)
  Bottom Layer w0.5: v1(71.45,67.425) 71.469,67.444 71.887,67.444 73.168,68.725 SW3.1@73.875,68.725
P4: J1.3 SW11.1 | length 66.7
  Top Layer w0.5: J1.3 47.846,21.25 53.895,21.25 66.4,33.755 66.4,65.675 v1(72.225,71.5)
  Bottom Layer w0.5: v1(72.225,71.5) 72.244,71.519 73.034,71.519 74.19,72.675 SW11.1@74.35,72.675
P5: J1.2 SW8.1 | length 71.7
  Top Layer w0.5: J1.2 49.729,21.95 53.605,21.95 65.7,34.045 65.7,69.15 v1@72.781,76.231
  Bottom Layer w0.5: v1(72.8,76.25) 72.827,76.25 73.501,76.924 75.551,76.924 SW8.1@75.725,76.75
Pickup_1: SW1.1 VR1.3 | length 87.5
  Top Layer w0.5: v1@63.348,19.15 58.725,19.15 52.875,13.3 52.875,5.95 49.175,2.25 49.175,-8.578 51.847,-11.249 66.956,-11.249 69.855,-8.35 VR1.3@69.975,-8.35
  Bottom Layer w0.5: SW1.1 59.351,45.375 63.4,41.326 63.4,19.175 v1(63.375,19.15)
Pickup_2: SW7.1 VR2.3 | length 54.9
  Top Layer w0.5: v1(61.675,17.1) 61.694,17.081 61.819,17.081 v1(70.35,8.55)
  Bottom Layer w0.5: SW7.1@59.375,38.85 61.675,36.55 v1(61.675,17.1) ; v1(70.35,8.55) 83.1,8.55 86.214,11.664 VR2.3@86.214,14.477
Sum_H: C1.2 J2.4 S1.1 | length 76.9
  Top Layer w0.5: J2.4 45.714,5.119 46.808,4.025 48.935,4.025 51.475,6.565 51.475,13.88 69.9,32.305 69.9,39.525 75.025,44.65 S1.1@77.35,44.65 ; v1(90.4,54.1) 90.419,54.119 90.419,55.569 C1.2@90.45,55.6
  Bottom Layer w0.5: S1.1@77.456,44.821 77.849,45.213 77.849,46.699 85.25,54.1 v1(90.4,54.1)
Sum_P: J1.1 S1.3 SW12.1 | length 74
  Top Layer w0.5: J1.1 48.945,25.603 48.945,24.541 50.836,22.65 53.315,22.65 65,34.335 65,56.423 64.95,56.473 v1(64.95,56.5) ; v1(74.325,54.725) 80.5,54.725 87,48.225 87,44.485 S1.3@86.844,44.329
  Bottom Layer w0.5: v1(64.95,56.5) 64.977,56.5 65.027,56.55 71.075,56.55 SW12.1 ; SW12.1@72.35,55.875 73.076,55.875 74.207,54.744 74.306,54.744 v1(74.325,54.725)
VREF: C3.1 R5.2 R6.1 U1.2 | length 50.3
  Top Layer w0.5: R5.2@78.875,95.625 79.05,95.45 R6.1 ; R6.1@79.137,93.687 79.55,93.275 80.3,93.275 82,91.575 v1(82,88.275) ; U1.2 96.006,55.569 97.856,55.569 v1(97.875,55.55)
  Bottom Layer w0.5: v1(82,88.275) 97.875,72.4 v1@97.875,55.577

## Polygon pours and split planes (outlines as drawn)
GND on Bottom Layer "GND_L02_P002" (solid, pour order 2): 2943 vertices, not listed, extent 41.162,-25.394 117.404,129.53
GND on Top Layer "GND_L01_P001" (solid, pour order 1): 2943 vertices, not listed, extent 41.162,-25.394 117.404,129.53

## Keep-outs
Keep-Out Layer:
  drawing of 2942 lines, arcs and shapes, not listed

## Silkscreen, mask and mechanical layers (free items; w line width, h text height)
Bottom Overlay:
  text "DC IN" at 75.175,111.025 h1
  text "GND" at 74.6,105.35 h1
  text "GND" at 76.409,85.12 h1 r345
  text "+9" at 75.334,81.12 h1 r345
  text "P1" at 74.084,77.195 h1 r345
  text "P2" at 72.609,73.145 h1 r345
  text "P3" at 71.434,68.995 h1 r345
  text "P4" at 70.434,64.645 h1 r345
  text "P5" at 69.259,60.695 h1 r345
  text "PSum" at 68.084,56.645 h1 r345
  text "PICKUP SEL" at 91.913,49.559 h1.52 r82
  text "P1" at 56.155,43.916 h1 r15
  text "GND" at 55.23,40.666 h1 r15
  text "P2" at 54.455,37.466 h1 r15
  text "GND" at 53.43,34.241 h1 r15
  text "GND-Bridge" at 62.469,30.788 h1 r15
  text "H2 VOL" at 66.475,26.919 h1.52 r85
  text "Output" at 94.014,24.419 h1 r338
  text "GND" at 91.114,17.96 h1 r338
  text "H1 VOL" at 50.188,4.459 h1.52 r82
Board Outline:
  drawing of 5885 lines, arcs and shapes, not listed
Panel:
  drawing of 3258 lines, arcs and shapes, not listed